# Altium PCB BerndoKeyboard-Switchboard.PcbDoc (part 3 of 3)
Units mm, origin at the board's own origin, x right, y up, seen from the top; angles counter-clockwise.
Board outline 470 x 135 mm, 2 copper layers (Top Layer, Bottom Layer), stack 1.581 mm thick; 355 components, 212 nets, 1814 pads, 203 vias.
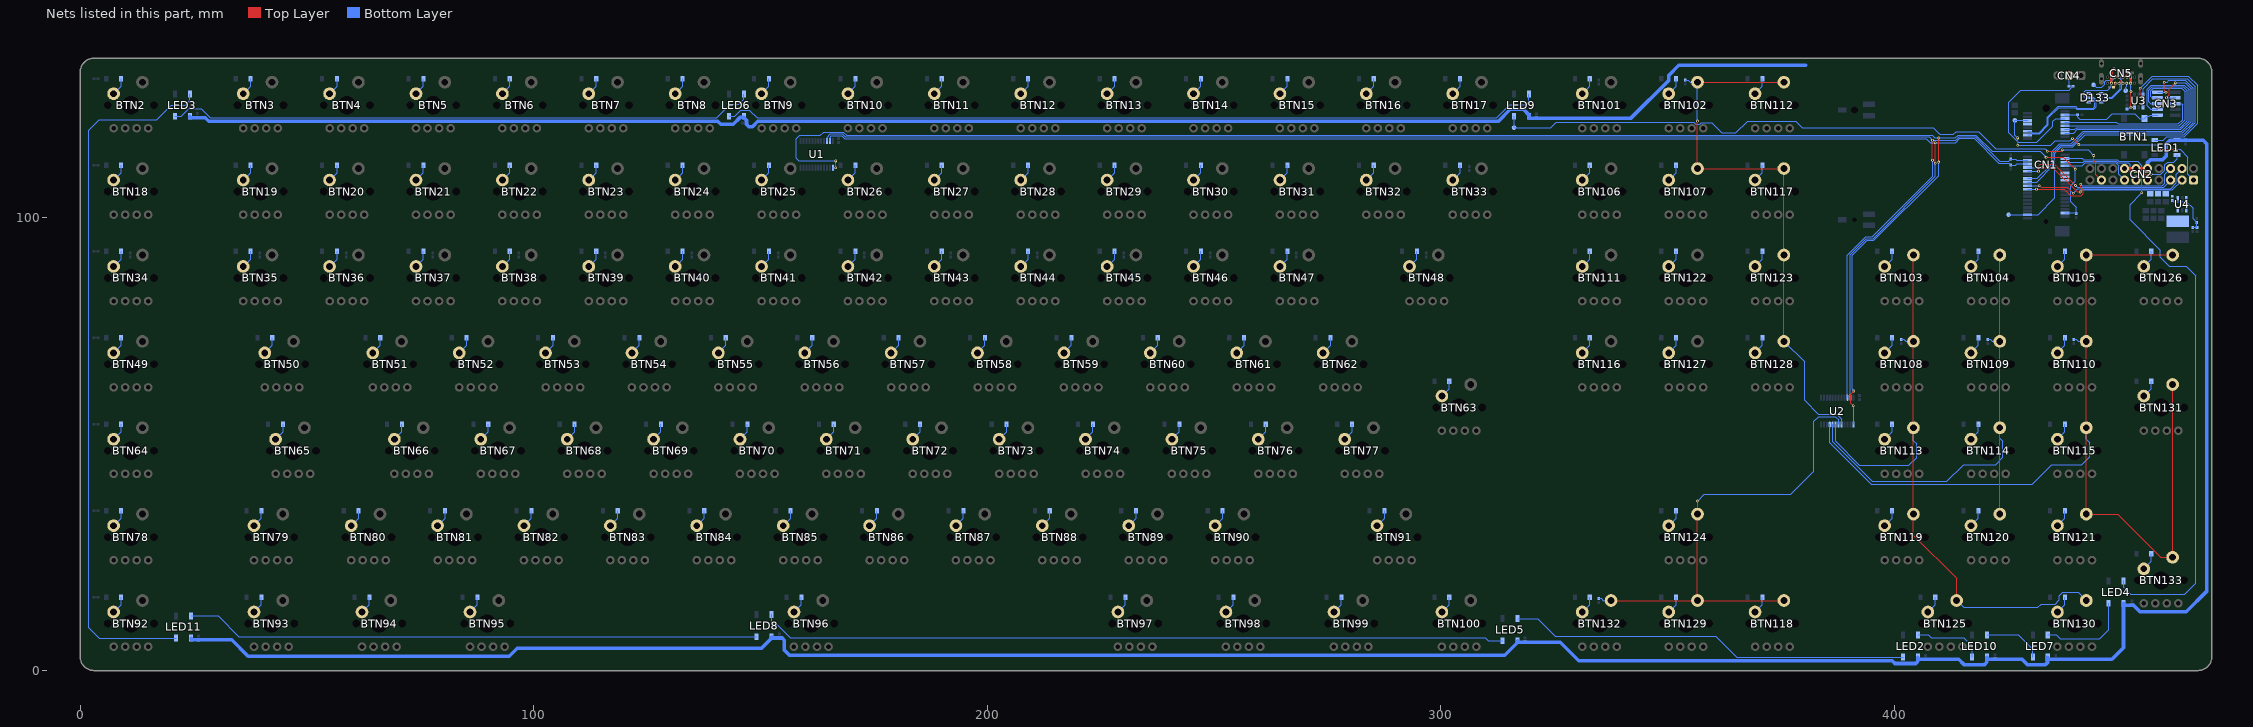
[diagram p3: the nets of this part, all layers, seen from the top]

## Via types
v1: diameter 0.6, hole 0.3, Top Layer to Bottom Layer, tented both sides, 203 vias

## Nets (pads, with @x,y where several pads share a name; then routed paths per layer and width w, separated by ;. In a path a pad name is that pad's centre, name@x,y a point inside that pad or via, vN(x,y) a via of type N, cw(c..) or ccw(c..) an arc to the next point about the centre after c; other vN are vias at no path point) (continued)
KBM_PROBE_17: BTN102.2 BTN107.2 BTN112.2 BTN117.2 BTN123.2 BTN128.2 R27.2 U2.5 | length 124.1
  Top Layer w0.127: BTN102.2@356.602,129.73 BTN112.2@375.652,129.73 ; v1(356.604,121.153) 356.602,121.151 BTN107.2@356.602,110.68 BTN117.2@375.652,110.68 BTN123.2@375.652,91.63 BTN128.2@375.652,72.58
  Bottom Layer w0.127: R27.2@353.9,130.18 354.547,130.18 354.997,129.73 BTN102.2@356.602,129.73 ; v1@356.603,121.154 BTN102.2@356.602,129.73 ; BTN128.2@375.652,72.58 380.206,68.027 380.206,59.58 383.277,56.509 387.303,56.509 388.375,55.437 U2.5@388.375,54.25
KBM_PROBE_18: BTN118.2 BTN124.2 BTN129.2 BTN132.2 R28.2 U2.6 | length 109.5
  Top Layer w0.127: BTN132.2@337.552,15.43 BTN129.2@356.602,15.43 ; v1(356.631,37.373) 356.617,37.358 356.617,34.494 BTN124.2@356.602,34.48 BTN129.2@356.602,15.43 ; BTN118.2@375.652,15.43 BTN129.2@356.602,15.43
  Bottom Layer w0.127: R28.2@334.85,15.88 335.415,15.88 335.865,15.43 BTN132.2@337.552,15.43 ; v1(356.631,37.373) 358.093,38.834 377.145,38.834 382.276,43.965 382.276,54.922 383.343,55.988 387.018,55.988 387.725,55.281 U2.6@387.725,54.25
KBM_PROBE_19: BTN103.2 BTN108.2 BTN113.2 BTN119.2 BTN125.2 BTN130.2 R29.2 U2.7 | length 146.2
  Top Layer w0.127: BTN103.2@404.227,91.63 BTN108.2@404.227,72.58 BTN113.2@404.227,53.53 BTN119.2@404.227,34.48 404.227,29.825 413.752,20.3 BTN125.2@413.752,15.43
  Bottom Layer w0.127: U2.7@387.075,54.25 387.075,50.532 392.33,45.277 403.245,45.277 404.914,46.946 404.914,50.026 404.227,50.712 BTN113.2@404.227,53.53 ; R29.2@401.525,73.03 402.108,73.03 402.558,72.58 BTN108.2@404.227,72.58 ; BTN125.2@413.752,15.43 415.276,13.906 431.657,13.906 432.398,14.647 435.506,14.647 436.421,15.562 436.421,16.467 437.172,17.218 440.54,17.218 BTN130.2@442.327,15.43
KBM_PROBE_20: BTN104.2 BTN109.2 BTN114.2 BTN120.2 R30.2 U2.8 | length 114
  Top Layer w0.127: BTN120.2@423.277,34.48 BTN114.2@423.277,53.53 BTN109.2@423.277,72.58 BTN104.2@423.277,91.63
  Bottom Layer w0.127: U2.8@386.425,54.25 386.425,50.425 395.143,41.707 411.587,41.707 415.301,45.421 422.398,45.421 423.962,46.985 423.962,50.583 423.277,51.268 BTN114.2@423.277,53.53 ; R30.2@420.575,73.03 421.129,73.03 421.579,72.58 BTN109.2@423.277,72.58
KBM_PROBE_21: BTN105.2 BTN110.2 BTN115.2 BTN121.2 BTN126.2 BTN131.2 BTN133.2 R31.2 U2.9 | length 214.5
  Top Layer w0.127: BTN131.2@461.377,63.055 BTN133.2@461.377,24.955 458.757,24.955 449.232,34.48 BTN121.2@442.327,34.48 BTN115.2@442.327,53.53 BTN110.2@442.327,72.58 BTN105.2@442.327,91.63 BTN126.2@461.377,91.63
  Bottom Layer w0.127: U2.9@385.775,54.25 385.775,50.27 394.947,41.098 430.456,41.098 434.772,45.414 441.377,45.414 443.087,47.123 443.087,50.223 442.327,50.983 BTN115.2@442.327,53.53 ; R31.2@439.625,73.03 440.16,73.03 440.61,72.58 BTN110.2@442.327,72.58
LED_DATA_IN: CN1.50 TP2.1 U3.3 | length 77.8
  Bottom Layer w0.127: TP2.1@425.2,100.5 CN1.50@429.4,100.5 ; CN1.50@429.4,100.5 431.716,100.5 435.425,104.208 435.425,114.08 436.797,115.452 439.361,115.452 442.068,118.159 463.802,118.159 466.402,120.759 466.402,128.685 464.592,130.494 457.025,130.494 454.85,128.319 U3.3@454.85,126.975
LED_DATA_IN_5V0: LED1.2 U3.4 | length 38.4
  Top Layer w0.127: v1(454.23,128.385) 454.23,126.352 v1(454.835,125.747)
  Bottom Layer w0.127: v1(454.23,128.385) 456.93,131.085 464.837,131.085 466.888,129.034 466.888,120.631 463.987,117.73 460.04,117.73 459.26,116.95 LED1.2@457.45,116.95 ; v1(454.835,125.747) 454.85,125.731 U3.4@454.85,124.225
LED_DATA_OUT: CN2.17 LED9.4 TP3.1 | length 143.2
  Top Layer w0.127: v1(433.75,114.52) 436.844,114.52 v1(437.117,114.793) ; v1(444.009,113.551) 444.009,112.366 444.45,111.924 444.45,109.37 CN2.17@445.68,108.14
  Bottom Layer w0.127: LED9.4@316.15,122.2 TP3.1@316.15,119.7 324.232,119.7 325.454,120.922 355.788,120.922 356.233,120.476 357.061,120.476 357.409,120.825 359.702,120.825 362.001,118.526 365.097,118.526 367.718,121.147 378.28,121.147 379.752,119.675 408.601,119.675 410.069,118.207 413.047,118.207 413.65,118.811 418.581,118.811 422.358,115.034 433.237,115.034 v1(433.75,114.52) ; v1(437.117,114.793) 442.767,114.793 v1(444.009,113.551)
MCU_BOOT0: CN1.5 R2.1 | length 38.3
  Bottom Layer w0.127: CN1.5@437.6,121.7 435.598,121.7 434.979,121.082 434.979,120.04 431.401,116.462 427.363,116.462 425.286,118.539 425.286,125.315 427.907,127.936 438.555,127.936 439.065,128.446 439.065,128.465 439.4,128.8 R2.1@439.45,128.8
MCU_PA1_AUX1: CN1.8
MCU_PA2_USART2_TX: CN1.34 CN2.4 | length 38.1
  Top Layer w0.127: v1(431.97,106.905) 432.367,106.507 438.167,106.507 v1(439.448,105.227)
  Bottom Layer w0.127: CN1.34@429.4,106.9 429.405,106.905 v1(431.97,106.905) ; v1(439.448,105.227) 440.501,106.28 460.936,106.28 462.199,107.543 462.199,109.419 CN2.4@463.46,110.68
MCU_PA3_USART2_RX: CN1.36 CN2.6 | length 38
  Top Layer w0.127: v1(431.375,106.111) 437.521,106.111 438.956,104.677 441.24,104.677 441.723,105.16 441.723,105.871 441.114,106.48 v1(441.114,107.216)
  Bottom Layer w0.127: CN1.36@429.4,106.1 429.411,106.111 v1(431.375,106.111) ; v1(441.114,107.216) 441.397,106.934 459.095,106.934 459.646,107.484 459.646,109.406 CN2.6@460.92,110.68
MCU_PA5_SPI1_SCK: CN1.19 CN2.9 | length 21.3
  Bottom Layer w0.127: CN1.19@437.6,112.9 441.409,112.9 441.689,112.62 449.116,112.62 449.489,112.247 453.649,112.247 454.609,111.287 454.609,109.371 CN2.9@455.84,108.14
MCU_PA6_SPI1_MISO: CN1.21 CN2.11 | length 18.7
  Bottom Layer w0.127: CN1.21@437.6,112.1 441.68,112.1 441.869,112.289 448.954,112.289 449.316,111.927 451.596,111.927 452.023,111.5 452.023,109.417 CN2.11@453.3,108.14
MCU_PA7_SPI1_MOSI: CN1.23 CN2.13 | length 16.1
  Bottom Layer w0.127: CN1.23@437.6,111.3 441.454,111.3 442.074,111.92 448.866,111.92 449.509,111.277 449.509,109.391 CN2.13@450.76,108.14
MCU_PA9_USART1_TX: CN1.30 CN3.8 | length 60.3
  Top Layer w0.127: v1(460.032,126.32) 460.032,126.38 460.608,126.956 460.608,128.216 v1(461.963,129.572)
  Bottom Layer w0.127: CN1.30@429.4,108.5 431.546,108.5 434.673,111.627 434.673,114.358 436.521,116.206 439.01,116.206 441.709,118.906 463.381,118.906 465.448,120.972 465.448,128.248 464.124,129.572 v1(461.963,129.572) ; v1(460.032,126.32) 461.561,126.32 461.73,126.49 CN3.8@461.95,126.27
MCU_PA10_USART1_RX: CN1.32 CN3.9 | length 62.6
  Top Layer w0.127: v1(459.527,129.711) 459.527,127.932 v1(459.924,127.536)
  Bottom Layer w0.127: CN1.32@429.4,107.7 431.371,107.7 435.045,111.374 435.045,114.207 436.671,115.833 439.191,115.833 441.885,118.527 463.598,118.527 465.877,120.806 465.877,128.444 464.186,130.135 460.578,130.135 460.154,129.711 v1(459.527,129.711) ; CN3.9@458.05,127.54 458.052,127.538 459.922,127.538 v1(459.924,127.536)
MCU_PA13_JTAG_TMS_SWDIO: CN1.11 CN3.5 | length 48.2
  Bottom Layer w0.127: CN1.11@437.6,119.3 439.781,119.3 440.189,119.708 463.018,119.708 464.579,121.269 464.579,127.83 463.671,128.738 456.893,128.738 456.133,127.978 456.133,125.388 456.521,125 CN3.5@458.05,125
MCU_PA14_JTAG_TCK_SWCLK: CN1.13 CN3.3 | length 51.7
  Bottom Layer w0.127: CN1.13@437.6,118.5 439.55,118.5 440.374,119.324 463.202,119.324 465,121.121 465,128.02 463.938,129.081 456.705,129.081 455.747,128.124 455.747,124.579 456.596,123.73 CN3.3@458.05,123.73
MCU_PA15_JTAG_TDI: CN1.7 CN3.6 | length 31.5
  Bottom Layer w0.127: CN1.7@437.6,120.9 448.959,120.9 449.338,120.522 462.67,120.522 463.572,121.423 463.572,124.733 463.341,124.965 461.985,124.965 CN3.6@461.95,125
MCU_PB3_JTAG_TDO_TRACE_SWO: CN1.9 CN3.7 | length 44.5
  Bottom Layer w0.127: CN1.9@437.6,120.1 462.793,120.1 464.143,121.45 464.143,127.645 463.371,128.417 457.054,128.417 456.503,127.867 456.503,126.489 456.659,126.333 457.987,126.333 CN3.7@458.05,126.27
MCU_PB6_I2C1_SCL: CN1.20 R33.2 U1.22 U2.22 | length 334.8
  Top Layer w0.127: v1(408.416,116.949) 408.416,112.495 v1(408.425,112.487)
  Bottom Layer w0.127: U1.22@164.675,116.75 164.675,117.641 165.356,118.322 168.067,118.322 168.728,117.661 407.704,117.661 v1(408.416,116.949) 408.433,116.933 413.583,116.933 414.333,117.683 417.811,117.683 423.239,112.255 425.255,112.255 425.7,112.7 R33.2@425.7,112.75 426.764,112.75 427.014,112.5 CN1.20@429.4,112.5 ; U2.22@389.675,60.15 389.675,91.606 393.745,95.676 395.124,95.676 408.433,108.985 408.433,112.479 v1(408.425,112.487)
MCU_PB7_I2C1_SDA: CN1.22 R32.2 U1.23 U2.23 | length 333.5
  Top Layer w0.127: v1(409.021,111.869) 409.027,111.875 v1(409.027,116.35)
  Bottom Layer w0.127: U1.23@165.325,116.75 165.325,117.641 165.623,117.938 167.885,117.938 168.529,117.294 407.012,117.294 407.956,116.35 v1(409.027,116.35) 413.504,116.35 414.483,117.329 417.599,117.329 423.035,111.893 425.257,111.893 R32.2@425.7,111.45 426.735,111.45 426.985,111.7 CN1.22@429.4,111.7 ; U2.23@390.325,60.15 390.325,91.715 393.861,95.251 395.324,95.251 409.021,108.948 v1(409.021,111.869)
MCU_PB10_I2C2_SCL: CN1.26 CN2.5 | length 35.5
  Top Layer w0.127: v1(431.809,110.1) 431.809,111.244 432.18,111.615 435.299,111.615 439.954,106.96 v1(439.954,106.957)
  Bottom Layer w0.127: CN1.26@429.4,110.1 v1(431.809,110.1) ; v1(439.954,106.957) 440.305,106.606 459.386,106.606 CN2.5@460.92,108.14
MCU_PB11_I2C2_SDA: CN1.24 CN2.3 | length 37.4
  Top Layer w0.127: v1(432.61,110.856) 434.99,110.856 440.331,105.515 v1(441.007,105.515)
  Bottom Layer w0.127: CN1.24@429.4,110.9 429.444,110.856 v1(432.61,110.856) ; v1(441.007,105.515) 441.478,105.986 461.306,105.986 CN2.3@463.46,108.14
MCU_PB13_SPI2_SCK: CN1.27
MCU_PB14_SPI2_MISO: CN1.29
MCU_PB15_SPI2_MOSI: CN1.31
MCU_RESETn: BTN1.3 CN1.3 CN3.1 R1.2 | length 22.6
  Bottom Layer w0.127: CN1.3@437.6,122.5 440.35,122.5 R1.2@440.45,122.6 440.45,122.021 440.895,121.576 446.865,121.576 448.107,122.818 452.982,122.818 454.125,121.675 BTN1.3@455.15,121.675 455.644,122.169 456.199,122.169 456.49,122.46 CN3.1@458.05,122.46
MCU_USB_D_N: CN1.12 D133.4 | length 21.9
  Bottom Layer w0.127: CN1.12@429.4,118.9 430.1,118.9 430.373,118.627 431.965,118.627 433.746,120.408 433.746,121.956 436.182,124.392 439.969,124.392 440.393,123.968 443.83,123.968 444.238,124.375 444.238,125.73 443.795,126.173 443.69,126.173 443.616,126.099 443.616,125.841 443.125,125.35 D133.4@442.925,125.35
MCU_USB_D_P: CN1.14 D133.6 | length 22.8
  Bottom Layer w0.127: CN1.14@429.4,118.1 430.1,118.1 430.373,118.373 432.071,118.373 434,120.302 434,121.851 436.287,124.138 439.864,124.138 440.287,123.714 443.935,123.714 444.492,124.27 444.492,125.835 443.9,126.427 443.69,126.427 443.616,126.501 443.616,126.76 443.125,127.25 D133.6@442.925,127.25
MCU_VBAT: CN1.6 CN2.1 TP1.1 | length 54
  Top Layer w0.25: v1(427.201,115.819) 427.213,115.831 v1(427.213,117.442) ; v1(439.309,117.334) 440.656,115.987 v1(440.656,115.963) ; v1(458.931,114.891) v1(461.773,114.891)
  Bottom Layer w0.25: v1(427.201,115.819) 434.475,115.819 435.485,116.829 438.804,116.829 v1(439.309,117.334) ; v1(427.213,117.442) 426.6,118.055 TP1.1@426.6,121.3 CN1.6@429.4,121.3 ; v1(440.656,115.963) 457.859,115.963 v1(458.931,114.891) ; v1(461.773,114.891) 463.031,114.891 464.742,113.18 464.742,109.398 CN2.1@466,108.14
NetBTN2_1: BTN2.1 D1.2 | length 4
  Bottom Layer w0.127: BTN2.1@7.352,127.19 8.991,128.828 D1.2@8.991,130.5
NetBTN3_1: BTN3.1 D2.2 | length 4
  Bottom Layer w0.127: BTN3.1@35.927,127.19 37.566,128.828 D2.2@37.566,130.5
NetBTN4_1: BTN4.1 D3.2 | length 4
  Bottom Layer w0.127: BTN4.1@54.977,127.19 56.616,128.828 D3.2@56.616,130.48
NetBTN5_1: BTN5.1 D4.2 | length 4
  Bottom Layer w0.127: BTN5.1@74.027,127.19 75.666,128.828 D4.2@75.666,130.5
NetBTN6_1: BTN6.1 D5.2 | length 4
  Bottom Layer w0.127: BTN6.1@93.077,127.19 94.716,128.828 D5.2@94.716,130.5
NetBTN7_1: BTN7.1 D6.2 | length 4
  Bottom Layer w0.127: BTN7.1@112.127,127.19 113.766,128.828 D6.2@113.766,130.5
NetBTN8_1: BTN8.1 D7.2 | length 4
  Bottom Layer w0.127: BTN8.1@131.177,127.19 132.816,128.828 D7.2@132.816,130.5
NetBTN9_1: BTN9.1 D8.2 | length 4
  Bottom Layer w0.127: BTN9.1@150.227,127.19 151.866,128.828 D8.2@151.866,130.5
NetBTN10_1: BTN10.1 D9.2 | length 4
  Bottom Layer w0.127: BTN10.1@169.277,127.19 170.916,128.828 D9.2@170.916,130.5
NetBTN11_1: BTN11.1 D10.2 | length 4
  Bottom Layer w0.127: BTN11.1@188.327,127.19 189.966,128.828 D10.2@189.966,130.5
NetBTN12_1: BTN12.1 D11.2 | length 4
  Bottom Layer w0.127: BTN12.1@207.377,127.19 209.016,128.828 D11.2@209.016,130.5
NetBTN13_1: BTN13.1 D12.2 | length 4
  Bottom Layer w0.127: BTN13.1@226.427,127.19 228.066,128.828 D12.2@228.066,130.5
NetBTN14_1: BTN14.1 D13.2 | length 4
  Bottom Layer w0.127: BTN14.1@245.477,127.19 247.116,128.828 D13.2@247.116,130.5
NetBTN15_1: BTN15.1 D14.2 | length 4
  Bottom Layer w0.127: BTN15.1@264.527,127.19 266.166,128.828 D14.2@266.166,130.5
NetBTN16_1: BTN16.1 D15.2 | length 4
  Bottom Layer w0.127: BTN16.1@283.577,127.19 285.216,128.828 D15.2@285.216,130.5
NetBTN17_1: BTN17.1 D16.2 | length 4
  Bottom Layer w0.127: BTN17.1@302.627,127.19 304.266,128.828 D16.2@304.266,130.5
NetBTN18_1: BTN18.1 D17.2 | length 4
  Bottom Layer w0.127: BTN18.1@7.352,108.14 8.991,109.778 D17.2@8.991,111.45
NetBTN19_1: BTN19.1 D18.2 | length 4
  Bottom Layer w0.127: BTN19.1@35.927,108.14 37.566,109.778 D18.2@37.566,111.45
NetBTN20_1: BTN20.1 D19.2 | length 4
  Bottom Layer w0.127: BTN20.1@54.977,108.14 56.616,109.778 D19.2@56.616,111.45
NetBTN21_1: BTN21.1 D20.2 | length 4
  Bottom Layer w0.127: BTN21.1@74.027,108.14 75.666,109.778 D20.2@75.666,111.45
NetBTN22_1: BTN22.1 D21.2 | length 4
  Bottom Layer w0.127: BTN22.1@93.077,108.14 94.716,109.778 D21.2@94.716,111.45
NetBTN23_1: BTN23.1 D22.2 | length 4
  Bottom Layer w0.127: BTN23.1@112.127,108.14 113.766,109.778 D22.2@113.766,111.45
NetBTN24_1: BTN24.1 D23.2 | length 4
  Bottom Layer w0.127: BTN24.1@131.177,108.14 132.816,109.778 D23.2@132.816,111.45
NetBTN25_1: BTN25.1 D24.2 | length 4
  Bottom Layer w0.127: BTN25.1@150.227,108.14 151.866,109.778 D24.2@151.866,111.45
NetBTN26_1: BTN26.1 D25.2 | length 4
  Bottom Layer w0.127: BTN26.1@169.277,108.14 170.916,109.778 D25.2@170.916,111.45
NetBTN27_1: BTN27.1 D26.2 | length 4
  Bottom Layer w0.127: BTN27.1@188.327,108.14 189.966,109.778 D26.2@189.966,111.45
NetBTN28_1: BTN28.1 D27.2 | length 4
  Bottom Layer w0.127: BTN28.1@207.377,108.14 209.016,109.778 D27.2@209.016,111.45
NetBTN29_1: BTN29.1 D28.2 | length 4
  Bottom Layer w0.127: BTN29.1@226.427,108.14 228.066,109.778 D28.2@228.066,111.45
NetBTN30_1: BTN30.1 D29.2 | length 4
  Bottom Layer w0.127: BTN30.1@245.477,108.14 247.116,109.778 D29.2@247.116,111.45
NetBTN31_1: BTN31.1 D30.2 | length 4
  Bottom Layer w0.127: BTN31.1@264.527,108.14 266.166,109.778 D30.2@266.166,111.45
NetBTN32_1: BTN32.1 D31.2 | length 4
  Bottom Layer w0.127: BTN32.1@283.577,108.14 285.216,109.778 D31.2@285.216,111.45
NetBTN33_1: BTN33.1 D32.2 | length 4
  Bottom Layer w0.127: BTN33.1@302.627,108.14 304.266,109.778 D32.2@304.266,111.45
NetBTN34_1: BTN34.1 D33.2 | length 4
  Bottom Layer w0.127: BTN34.1@7.352,89.09 8.991,90.728 D33.2@8.991,92.4
NetBTN35_1: BTN35.1 D34.2 | length 4
  Bottom Layer w0.127: BTN35.1@35.927,89.09 37.566,90.728 D34.2@37.566,92.4
NetBTN36_1: BTN36.1 D35.2 | length 4
  Bottom Layer w0.127: BTN36.1@54.977,89.09 56.616,90.728 D35.2@56.616,92.4
NetBTN37_1: BTN37.1 D36.2 | length 4
  Bottom Layer w0.127: BTN37.1@74.027,89.09 75.666,90.728 D36.2@75.666,92.4
NetBTN38_1: BTN38.1 D37.2 | length 4
  Bottom Layer w0.127: BTN38.1@93.077,89.09 94.716,90.728 D37.2@94.716,92.4
NetBTN39_1: BTN39.1 D38.2 | length 4
  Bottom Layer w0.127: BTN39.1@112.127,89.09 113.766,90.728 D38.2@113.766,92.4
NetBTN40_1: BTN40.1 D39.2 | length 4
  Bottom Layer w0.127: BTN40.1@131.177,89.09 132.816,90.728 D39.2@132.816,92.4
NetBTN41_1: BTN41.1 D40.2 | length 4
  Bottom Layer w0.127: BTN41.1@150.227,89.09 151.866,90.728 D40.2@151.866,92.4
NetBTN42_1: BTN42.1 D41.2 | length 4
  Bottom Layer w0.127: BTN42.1@169.277,89.09 170.916,90.728 D41.2@170.916,92.4
NetBTN43_1: BTN43.1 D42.2 | length 4
  Bottom Layer w0.127: BTN43.1@188.327,89.09 189.966,90.728 D42.2@189.966,92.4
NetBTN44_1: BTN44.1 D43.2 | length 4
  Bottom Layer w0.127: BTN44.1@207.377,89.09 209.016,90.728 D43.2@209.016,92.4
NetBTN45_1: BTN45.1 D44.2 | length 4
  Bottom Layer w0.127: BTN45.1@226.427,89.09 228.066,90.728 D44.2@228.066,92.4
NetBTN46_1: BTN46.1 D45.2 | length 4
  Bottom Layer w0.127: BTN46.1@245.477,89.09 247.116,90.728 D45.2@247.116,92.4
NetBTN47_1: BTN47.1 D46.2 | length 4
  Bottom Layer w0.127: BTN47.1@264.527,89.09 266.166,90.728 D46.2@266.166,92.4
NetBTN48_1: BTN48.1 D47.2 | length 4
  Bottom Layer w0.127: BTN48.1@293.102,89.09 294.741,90.728 D47.2@294.741,92.4
NetBTN49_1: BTN49.1 D48.2 | length 4
  Bottom Layer w0.127: BTN49.1@7.352,70.04 8.991,71.678 D48.2@8.991,73.35
NetBTN50_1: BTN50.1 D49.2 | length 4
  Bottom Layer w0.127: BTN50.1@40.69,70.04 42.328,71.678 D49.2@42.328,73.35
NetBTN51_1: BTN51.1 D50.2 | length 4
  Bottom Layer w0.127: BTN51.1@64.502,70.04 66.141,71.678 D50.2@66.141,73.35
NetBTN52_1: BTN52.1 D51.2 | length 4
  Bottom Layer w0.127: BTN52.1@83.552,70.04 85.191,71.678 D51.2@85.191,73.35
NetBTN53_1: BTN53.1 D52.2 | length 4
  Bottom Layer w0.127: BTN53.1@102.602,70.04 104.241,71.678 D52.2@104.241,73.35
NetBTN54_1: BTN54.1 D53.2 | length 4
  Bottom Layer w0.127: BTN54.1@121.652,70.04 123.291,71.678 D53.2@123.291,73.35
NetBTN55_1: BTN55.1 D54.2 | length 4
  Bottom Layer w0.127: BTN55.1@140.702,70.04 142.341,71.678 D54.2@142.341,73.35
NetBTN56_1: BTN56.1 D55.2 | length 4
  Bottom Layer w0.127: BTN56.1@159.752,70.04 161.391,71.678 D55.2@161.391,73.35
NetBTN57_1: BTN57.1 D56.2 | length 4
  Bottom Layer w0.127: BTN57.1@178.802,70.04 180.441,71.678 D56.2@180.441,73.35
NetBTN58_1: BTN58.1 D57.2 | length 4
  Bottom Layer w0.127: BTN58.1@197.852,70.04 199.491,71.678 D57.2@199.491,73.35
NetBTN59_1: BTN59.1 D58.2 | length 4
  Bottom Layer w0.127: BTN59.1@216.902,70.04 218.541,71.678 D58.2@218.541,73.35
NetBTN60_1: BTN60.1 D59.2 | length 4
  Bottom Layer w0.127: BTN60.1@235.952,70.04 237.591,71.678 D59.2@237.591,73.35
NetBTN61_1: BTN61.1 D60.2 | length 4
  Bottom Layer w0.127: BTN61.1@255.002,70.04 256.641,71.678 D60.2@256.641,73.35
NetBTN62_1: BTN62.1 D61.2 | length 4
  Bottom Layer w0.127: BTN62.1@274.052,70.04 275.691,71.678 D61.2@275.691,73.35
NetBTN63_1: BTN63.1 D62.2 | length 4
  Bottom Layer w0.127: BTN63.1@300.247,60.515 301.885,62.153 D62.2@301.885,63.825
NetBTN64_1: BTN64.1 D63.2 | length 4
  Bottom Layer w0.127: BTN64.1@7.352,50.99 8.991,52.628 D63.2@8.991,54.3
NetBTN65_1: BTN65.1 D64.2 | length 4
  Bottom Layer w0.127: BTN65.1@43.071,50.99 44.71,52.628 D64.2@44.71,54.3
NetBTN66_1: BTN66.1 D65.2 | length 4
  Bottom Layer w0.127: BTN66.1@69.266,50.99 70.904,52.628 D65.2@70.904,54.3
NetBTN67_1: BTN67.1 D66.2 | length 4
  Bottom Layer w0.127: BTN67.1@88.316,50.99 89.954,52.628 D66.2@89.954,54.3
NetBTN68_1: BTN68.1 D67.2 | length 4
  Bottom Layer w0.127: BTN68.1@107.366,50.99 109.004,52.628 D67.2@109.004,54.3
NetBTN69_1: BTN69.1 D68.2 | length 4
  Bottom Layer w0.127: BTN69.1@126.416,50.99 128.054,52.628 D68.2@128.054,54.3
NetBTN70_1: BTN70.1 D69.2 | length 4
  Bottom Layer w0.127: BTN70.1@145.466,50.99 147.104,52.628 D69.2@147.104,54.3
NetBTN71_1: BTN71.1 D70.2 | length 4
  Bottom Layer w0.127: BTN71.1@164.516,50.99 166.154,52.628 D70.2@166.154,54.3
NetBTN72_1: BTN72.1 D71.2 | length 4
  Bottom Layer w0.127: BTN72.1@183.566,50.99 185.204,52.628 D71.2@185.204,54.3
NetBTN73_1: BTN73.1 D72.2 | length 4
  Bottom Layer w0.127: BTN73.1@202.616,50.99 204.254,52.628 D72.2@204.254,54.3
NetBTN74_1: BTN74.1 D73.2 | length 4
  Bottom Layer w0.127: BTN74.1@221.666,50.99 223.304,52.628 D73.2@223.304,54.3
NetBTN75_1: BTN75.1 D74.2 | length 4
  Bottom Layer w0.127: BTN75.1@240.716,50.99 242.354,52.628 D74.2@242.354,54.3
NetBTN76_1: BTN76.1 D75.2 | length 4
  Bottom Layer w0.127: BTN76.1@259.766,50.99 261.404,52.628 D75.2@261.404,54.3
NetBTN77_1: BTN77.1 D76.2 | length 4
  Bottom Layer w0.127: BTN77.1@278.816,50.99 280.454,52.628 D76.2@280.454,54.3
NetBTN78_1: BTN78.1 D77.2 | length 4
  Bottom Layer w0.127: BTN78.1@7.352,31.94 8.991,33.578 D77.2@8.991,35.25
NetBTN79_1: BTN79.1 D78.2 | length 4
  Bottom Layer w0.127: BTN79.1@38.309,31.94 39.947,33.578 D78.2@39.947,35.25
NetBTN80_1: BTN80.1 D79.2 | length 4
  Bottom Layer w0.127: BTN80.1@59.741,31.94 61.379,33.578 D79.2@61.379,35.25
NetBTN81_1: BTN81.1 D80.2 | length 4
  Bottom Layer w0.127: BTN81.1@78.791,31.94 80.429,33.578 D80.2@80.429,35.25
NetBTN82_1: BTN82.1 D81.2 | length 4
  Bottom Layer w0.127: BTN82.1@97.841,31.94 99.479,33.578 D81.2@99.479,35.25
NetBTN83_1: BTN83.1 D82.2 | length 4
  Bottom Layer w0.127: BTN83.1@116.891,31.94 118.529,33.578 D82.2@118.529,35.25
NetBTN84_1: BTN84.1 D83.2 | length 4
  Bottom Layer w0.127: BTN84.1@135.941,31.94 137.579,33.578 D83.2@137.579,35.25
NetBTN85_1: BTN85.1 D84.2 | length 4
  Bottom Layer w0.127: BTN85.1@154.991,31.94 156.629,33.578 D84.2@156.629,35.25
NetBTN86_1: BTN86.1 D85.2 | length 4
  Bottom Layer w0.127: BTN86.1@174.041,31.94 175.679,33.578 D85.2@175.679,35.25
NetBTN87_1: BTN87.1 D86.2 | length 4
  Bottom Layer w0.127: BTN87.1@193.091,31.94 194.729,33.578 D86.2@194.729,35.25
NetBTN88_1: BTN88.1 D87.2 | length 4
  Bottom Layer w0.127: BTN88.1@212.141,31.94 213.779,33.578 D87.2@213.779,35.25
NetBTN89_1: BTN89.1 D88.2 | length 4
  Bottom Layer w0.127: BTN89.1@231.191,31.94 232.829,33.578 D88.2@232.829,35.25
NetBTN90_1: BTN90.1 D89.2 | length 4
  Bottom Layer w0.127: BTN90.1@250.241,31.94 251.879,33.578 D89.2@251.879,35.25
NetBTN91_1: BTN91.1 D90.2 | length 4
  Bottom Layer w0.127: BTN91.1@285.959,31.94 287.597,33.578 D90.2@287.597,35.25
NetBTN92_1: BTN92.1 D91.2 | length 4
  Bottom Layer w0.127: BTN92.1@7.352,12.89 8.991,14.528 D91.2@8.991,16.2
NetBTN93_1: BTN93.1 D92.2 | length 4
  Bottom Layer w0.127: BTN93.1@38.309,12.89 39.947,14.528 D92.2@39.947,16.2
NetBTN94_1: BTN94.1 D93.2 | length 4
  Bottom Layer w0.127: BTN94.1@62.122,12.89 63.76,14.528 D93.2@63.76,16.2
NetBTN95_1: BTN95.1 D94.2 | length 4
  Bottom Layer w0.127: BTN95.1@85.934,12.89 87.572,14.528 D94.2@87.572,16.2
NetBTN96_1: BTN96.1 D95.2 | length 4
  Bottom Layer w0.127: BTN96.1@157.372,12.89 159.01,14.528 D95.2@159.01,16.2
NetBTN97_1: BTN97.1 D96.2 | length 4
  Bottom Layer w0.127: BTN97.1@228.809,12.89 230.447,14.528 D96.2@230.447,16.2
NetBTN98_1: BTN98.1 D97.2 | length 4
  Bottom Layer w0.127: BTN98.1@252.622,12.89 254.26,14.528 D97.2@254.26,16.2
NetBTN99_1: BTN99.1 D98.2 | length 4
  Bottom Layer w0.127: BTN99.1@276.434,12.89 278.072,14.528 D98.2@278.072,16.2
NetBTN100_1: BTN100.1 D99.2 | length 4
  Bottom Layer w0.127: BTN100.1@300.247,12.89 301.885,14.528 D99.2@301.885,16.2
NetBTN101_1: BTN101.1 D100.2 | length 4
  Bottom Layer w0.127: BTN101.1@331.202,127.19 332.841,128.828 D100.2@332.841,130.5
NetBTN102_1: BTN102.1 D101.2 | length 4
  Bottom Layer w0.127: BTN102.1@350.252,127.19 351.891,128.828 D101.2@351.891,130.5
NetBTN103_1: BTN103.1 D102.2 | length 4
  Bottom Layer w0.127: BTN103.1@397.877,89.09 399.516,90.728 D102.2@399.516,92.4
NetBTN104_1: BTN104.1 D103.2 | length 4
  Bottom Layer w0.127: BTN104.1@416.927,89.09 418.566,90.728 D103.2@418.566,92.4
NetBTN105_1: BTN105.1 D104.2 | length 4
  Bottom Layer w0.127: BTN105.1@435.977,89.09 437.616,90.728 D104.2@437.616,92.4
NetBTN106_1: BTN106.1 D105.2 | length 4
  Bottom Layer w0.127: BTN106.1@331.202,108.14 332.841,109.778 D105.2@332.841,111.45
NetBTN107_1: BTN107.1 D106.2 | length 4
  Bottom Layer w0.127: BTN107.1@350.252,108.14 351.891,109.778 D106.2@351.891,111.45
NetBTN108_1: BTN108.1 D107.2 | length 4
  Bottom Layer w0.127: BTN108.1@397.877,70.04 399.516,71.678 D107.2@399.516,73.35
NetBTN109_1: BTN109.1 D108.2 | length 4
  Bottom Layer w0.127: BTN109.1@416.927,70.04 418.566,71.678 D108.2@418.566,73.35
NetBTN110_1: BTN110.1 D109.2 | length 4
  Bottom Layer w0.127: BTN110.1@435.977,70.04 437.616,71.678 D109.2@437.616,73.35
NetBTN111_1: BTN111.1 D110.2 | length 4
  Bottom Layer w0.127: BTN111.1@331.202,89.09 332.841,90.728 D110.2@332.841,92.4
NetBTN112_1: BTN112.1 D111.2 | length 4
  Bottom Layer w0.127: BTN112.1@369.302,127.19 370.941,128.828 D111.2@370.941,130.5
NetBTN113_1: BTN113.1 D112.2 | length 4
  Bottom Layer w0.127: BTN113.1@397.877,50.99 399.516,52.628 D112.2@399.516,54.3
NetBTN114_1: BTN114.1 D113.2 | length 4
  Bottom Layer w0.127: BTN114.1@416.927,50.99 418.566,52.628 D113.2@418.566,54.3
NetBTN115_1: BTN115.1 D114.2 | length 4
  Bottom Layer w0.127: BTN115.1@435.977,50.99 437.616,52.628 D114.2@437.616,54.3
NetBTN116_1: BTN116.1 D115.2 | length 4
  Bottom Layer w0.127: BTN116.1@331.202,70.04 332.841,71.678 D115.2@332.841,73.35
NetBTN117_1: BTN117.1 D116.2 | length 4
  Bottom Layer w0.127: BTN117.1@369.302,108.14 370.941,109.778 D116.2@370.941,111.45
NetBTN118_1: BTN118.1 D117.2 | length 4
  Bottom Layer w0.127: BTN118.1@369.302,12.89 370.941,14.528 D117.2@370.941,16.2
NetBTN119_1: BTN119.1 D118.2 | length 4
  Bottom Layer w0.127: BTN119.1@397.877,31.94 399.516,33.578 D118.2@399.516,35.25
NetBTN120_1: BTN120.1 D119.2 | length 4
  Bottom Layer w0.127: BTN120.1@416.927,31.94 418.566,33.578 D119.2@418.566,35.25
NetBTN121_1: BTN121.1 D120.2 | length 4
  Bottom Layer w0.127: BTN121.1@435.977,31.94 437.616,33.578 D120.2@437.616,35.25
NetBTN122_1: BTN122.1 D121.2 | length 4
  Bottom Layer w0.127: BTN122.1@350.252,89.09 351.891,90.728 D121.2@351.891,92.4
NetBTN123_1: BTN123.1 D122.2 | length 4
  Bottom Layer w0.127: BTN123.1@369.302,89.09 370.941,90.728 D122.2@370.941,92.4
NetBTN124_1: BTN124.1 D123.2 | length 4
  Bottom Layer w0.127: BTN124.1@350.252,31.94 351.891,33.578 D123.2@351.891,35.25
NetBTN125_1: BTN125.1 D124.2 | length 4
  Bottom Layer w0.127: BTN125.1@407.402,12.89 409.041,14.528 D124.2@409.041,16.2
NetBTN126_1: BTN126.1 D125.2 | length 4
  Bottom Layer w0.127: BTN126.1@455.027,89.09 456.666,90.728 D125.2@456.666,92.4
NetBTN127_1: BTN127.1 D126.2 | length 4
  Bottom Layer w0.127: BTN127.1@350.252,70.04 351.891,71.678 D126.2@351.891,73.35
NetBTN128_1: BTN128.1 D127.2 | length 4
  Bottom Layer w0.127: BTN128.1@369.302,70.04 370.941,71.678 D127.2@370.941,73.35
NetBTN129_1: BTN129.1 D128.2 | length 4
  Bottom Layer w0.127: BTN129.1@350.252,12.89 351.891,14.528 D128.2@351.891,16.2
NetBTN130_1: BTN130.1 D129.2 | length 4
  Bottom Layer w0.127: BTN130.1@435.977,12.89 437.616,14.528 D129.2@437.616,16.2
NetBTN131_1: BTN131.1 D130.2 | length 4
  Bottom Layer w0.127: BTN131.1@455.027,60.515 456.666,62.153 D130.2@456.666,63.825
NetBTN132_1: BTN132.1 D131.2 | length 4
  Bottom Layer w0.127: BTN132.1@331.202,12.89 332.841,14.528 D131.2@332.841,16.2
NetBTN133_1: BTN133.1 D132.2 | length 4
  Bottom Layer w0.127: BTN133.1@455.027,22.415 456.666,24.053 D132.2@456.666,25.725
NetCN4_2: CN4.2 R2.2 | length 2.4
  Bottom Layer w0.127: R2.2@438.55,128.8 438.6,128.85 CN4.2@438.6,131.2
NetLED1_4: LED1.4 LED4.2 | length 128.7
  Top Layer w0.127: v1(454.586,105.333) 454.586,108.828 455.159,109.401 v1(456.628,109.401)
  Bottom Layer w0.127: LED4.2@450.55,19.75 450.55,18.411 452.132,16.829 464.035,16.829 466.427,19.22 466.427,87.091 464.431,89.087 460.64,89.087 458.644,91.082 458.644,92.698 451.996,99.346 451.996,102.744 v1(454.586,105.333) ; v1(456.628,109.401) 458.785,109.401 459.679,110.295 459.679,111.517 460.282,112.121 461.637,112.121 462.35,112.834 LED1.4@462.35,113.65
NetLED2_2: LED2.2 LED10.4 | length 15.4
  Bottom Layer w0.127: LED2.2@405.25,7.85 407.539,7.85 408.152,7.237 415.353,7.237 417.15,5.44 LED10.4@417.15,2.95
NetLED2_4: LED2.4 LED5.2 | length 88.5
  Bottom Layer w0.127: LED5.2@316.95,11.45 321.351,11.45 325.216,7.585 360.654,7.585 365.289,2.95 LED2.4@401.95,2.95
NetLED3_2: LED3.2 LED11.4 | length 156.3
  Bottom Layer w0.127: LED11.4@21.15,7.15 4.171,7.15 1.863,9.458 1.863,119.104 4.215,121.456 16.849,121.456 20.068,124.676 23.135,124.676 24.15,125.691 LED3.2@24.15,127.1
NetLED3_4: LED3.4 LED6.2 | length 129.9
  Bottom Layer w0.127: LED3.4@20.85,122.2 22.274,122.2 23.968,123.893 26.69,123.893 28.706,121.878 140.322,121.878 143.278,124.834 145.206,124.834 146.35,125.977 LED6.2@146.35,127.1
NetLED4_4: LED4.4 LED7.2 | length 20.4
  Bottom Layer w0.127: LED7.2@433.85,7.85 435.731,7.85 436.567,7.014 445.257,7.014 447.25,9.007 LED4.4@447.25,14.85
NetLED5_4: LED5.4 LED8.2 | length 164.6
  Bottom Layer w0.127: LED8.2@152.45,12.35 152.45,10.624 152.939,10.136 153.709,10.136 156.603,7.242 309.792,7.242 310.484,6.55 LED5.4@313.65,6.55
NetLED6_4: LED6.4 LED9.2 | length 180.8
  Bottom Layer w0.127: LED6.4@143.05,122.2 144.265,122.2 145.612,123.547 147.556,123.547 149.239,121.864 312.336,121.864 315.248,124.776 318.79,124.776 319.45,125.435 LED9.2@319.45,127.1
NetLED7_4: LED7.4 LED10.2 | length 13.1
  Bottom Layer w0.127: LED10.2@420.45,7.85 427.344,7.85 430.55,4.644 LED7.4@430.55,2.95
NetLED8_4: LED8.4 LED11.2 | length 126.6
  Bottom Layer w0.127: LED11.2@24.45,12.05 30.379,12.05 34.979,7.45 LED8.4@149.15,7.45
PROBE_PORT_EXP_INTn: CN1.49 R34.2 U1.1 U2.1 | length 388
  Top Layer w0.127: v1(166.596,112.364) 166.598,112.362 v1(166.598,110.85) ; v1(390.969,58.409) 390.396,58.983 390.396,60.923 v1(391.09,61.617) ; v1(409.79,117.423) 409.79,112.125 v1(409.81,112.105) ; v1(433.474,113.163) 437.309,113.163 v1(439.905,110.567)
  Bottom Layer w0.127: U1.1@165.975,110.85 v1(166.598,110.85) ; v1(166.596,112.364) 158.447,112.364 157.876,112.935 157.876,117.262 158.64,118.026 163.22,118.026 163.932,118.738 168.294,118.738 168.968,118.064 408.335,118.064 408.976,117.423 v1(409.79,117.423) 413.422,117.423 414.069,118.07 418.008,118.07 421.59,114.489 432.148,114.489 v1(433.474,113.163) ; v1@390.969,58.292 v1(390.969,58.409) U2.1@390.975,54.25 ; v1@391.117,61.59 v1(391.09,61.617) 390.727,61.979 390.727,91.529 394.018,94.819 395.49,94.819 409.81,109.139 v1(409.81,112.105) ; CN1.49@437.6,100.9 439.95,100.9 R34.2@440.1,100.75 440.1,102.135 438.906,103.329 438.906,106.939 439.905,107.937 v1(439.905,110.567)
REG_3V3_EN: R37.2 U4.1 | length 4.8
  Bottom Layer w0.127: R37.2@461.25,103.675 461.25,103.625 461.549,103.326 463.769,103.326 464.4,102.695 U4.1@464.4,101.475
REG_3V3_FB: C20.2 R38.2 R39.1 U4.6 | length 8.3
  Bottom Layer w0.127: U4.6@464.4,104.125 464.4,103.394 465.874,101.92 465.874,99.626 R39.1@466.75,98.75 C20.2@466.75,97.69 466.74,97.7 R38.2@465.85,97.7
REG_3V3_SW: L1.1 U4.3
USBC_CC1: CN5.A5 R35.1 | length 1.1
  Top Layer w0.127: R35.1@448.325,128.6 448.375,128.6 448.709,128.934 448.709,129.485 CN5.A5@448.725,129.5
USBC_CC2: CN5.B5 R36.1 | length 1.1
  Top Layer w0.127: CN5.B5@451.275,130.85 451.275,131.45 451.625,131.8 R36.1@451.675,131.8
USBC_D_N: CN5.A7 CN5.B7 D133.3 | length 8.8
  Bottom Layer w0.127: D133.3@445.675,125.35 445.875,125.35 446.366,125.841 446.366,126.099 446.44,126.173 448.074,126.173 450.127,128.226 450.127,129.174 450.425,129.472 CN5.A7@450.425,129.5 CN5.B7@449.575,130.85
USBC_D_P: CN5.A6 CN5.B6 D133.1 | length 8.4
  Top Layer w0.127: CN5.A6@449.575,129.5 CN5.B6@450.425,130.85
  Bottom Layer w0.127: D133.1@445.675,127.25 445.875,127.25 446.366,126.76 446.366,126.501 446.44,126.427 447.968,126.427 449.873,128.332 449.873,129.174 449.575,129.472 CN5.A6@449.575,129.5
USBC_SBU1: CN5.A8 TP4.1 | length 1.8
  Bottom Layer w0.127: TP4.1@451.025,127.85 451.025,128.607 451.275,128.857 CN5.A8@451.275,129.5
USBC_SBU2: CN5.B8 TP5.1 | length 6.3
  Bottom Layer w0.127: TP5.1@443.941,129.15 444.509,128.583 445.75,128.583 446.445,129.278 446.445,129.857 446.782,130.194 448.069,130.194 CN5.B8@448.725,130.85
USBC_VBUS: C5.1 C6.1 C7.1 C8.1 C9.1 C10.1 C11.1 C12.1 C13.1 C14.1 C15.1 C16.1 C17.1 C18.1 C19.1 CN2.10 CN2.12 CN2.14 CN5.A4 CN5.A9 CN5.B4 CN5.B9 D133.5 LED1.3 LED2.3 LED3.3 LED4.3 LED5.3 LED6.3 LED7.3 LED8.3 LED9.3 LED10.3 LED11.3 R37.1 U3.6 U4.4 | length 984.9
  Top Layer w0.25: v1(452.197,124.225) v1(452.199,127.681) v1(452.199,127.681)
  Top Layer w0.6: CN5.A4@447.875,129.5 CN5.B9@447.875,130.85 447.885,130.86 447.885,132.048 v1(448.468,132.632) ; CN5.A9@452.125,129.5 CN5.B4@452.125,130.85
  Top Layer w0.8: CN2.14@450.76,110.68 CN2.12@453.3,110.68 CN2.10@455.84,110.68
  Bottom Layer w0.25: D133.5@442.925,126.3 442.05,126.3 441.847,126.503 441.847,127.564 442.268,127.985 447.107,127.985 447.875,128.753 CN5.A4@447.875,129.5 ; C5.1@451.3,123.86 451.3,123.88 451.757,123.88 452.102,124.225 v1(452.197,124.225) U3.6@452.95,124.225 ; CN5.A9@452.125,129.5 452.125,128.671 452.199,128.597 v1(452.199,127.681)
  Bottom Layer w0.6: CN5.B4@452.125,130.85 452.135,130.86 452.135,131.801
  Bottom Layer w0.8: LED3.3@24.15,122.2 24.15,121.96 24.2,121.91 C8.1@25.8,121.91 27.53,121.91 28.322,121.119 140.535,121.119 141.223,120.43 143.96,120.43 145.49,121.96 146.3,121.96 146.35,122.01 146.35,121.9 146.9,121.35 C11.1@146.9,120.75 146.9,120.442 147.424,119.918 148.208,119.918 149.403,121.113 312.718,121.113 315.334,123.729 318.221,123.729 319.45,122.5 LED9.3@319.45,122.2 319.45,121.9 319.54,121.81 C14.1@321.1,121.81 341.966,121.81 350.305,130.149 350.305,131.278 352.475,133.448 380.445,133.448 ; LED11.3@24.45,7.15 24.45,6.85 24.54,6.76 C16.1@26.1,6.76 33.396,6.76 37.005,3.151 94.592,3.151 96.359,4.918 150.218,4.918 152.45,7.15 LED8.3@152.45,7.21 ; LED8.3@152.45,7.45 LED8.3@152.45,7.21 ; LED5.3@316.95,6.55 LED5.3@316.95,6.31 ; LED2.3@405.2,2.9 405.2,2.004 404.731,1.535 400.152,1.535 399.537,2.15 330.439,2.15 326.329,6.26 C10.1@318.6,6.26 317,6.26 LED5.3@316.95,6.31 ; LED2.3@405.44,2.46 C7.1@406.902,2.46 414.197,2.46 415.357,1.3 419.909,1.3 420.4,1.791 LED10.3@420.4,2.9 ; LED10.3@420.45,2.95 420.45,2.65 420.58,2.52 C15.1@422.2,2.52 428.097,2.52 429.317,1.3 433.331,1.3 433.8,1.769 LED7.3@433.8,2.9 ; LED7.3@433.85,2.95 433.85,2.65 434.04,2.46 C12.1@435.6,2.46 447.992,2.46 450.55,5.018 LED4.3@450.55,14.55 ; LED4.3@450.55,14.85 LED4.3@450.55,14.55 ; CN2.10@455.84,110.68 455.84,112.009 456.478,112.647 459.143,112.647 459.944,113.447 459.944,116.079 460.815,116.95 LED1.3@462.35,116.95 462.36,116.94 C6.1@464.2,116.94 468.1,116.94 468.869,116.171 468.869,17.433 464.4,12.965 454.18,12.965 452.725,14.42 C9.1@452.4,14.42 450.68,14.42 LED4.3@450.55,14.55 ; LED8.3@152.45,7.21 152.5,7.16 C13.1@154.2,7.16 154.768,7.16 155.237,6.691 155.237,4.532 156.394,3.375 314.075,3.375 316.95,6.25 LED5.3@316.95,6.31
pads on no net: BTN1.4 BTN2.3 BTN2.4 BTN2.5 BTN2.6 BTN2.NPTH BTN3.3 BTN3.4 BTN3.5 BTN3.6 BTN3.NPTH BTN4.3 BTN4.4 BTN4.5 BTN4.6 BTN4.NPTH BTN5.3 BTN5.4 BTN5.5 BTN5.6 BTN5.NPTH BTN6.3 BTN6.4 BTN6.5 BTN6.6 BTN6.NPTH BTN7.3 BTN7.4 BTN7.5 BTN7.6 BTN7.NPTH BTN8.3 BTN8.4 BTN8.5 BTN8.6 BTN8.NPTH BTN9.3 BTN9.4 BTN9.5 BTN9.6 BTN9.NPTH BTN10.3 BTN10.4 BTN10.5 BTN10.6 BTN10.NPTH BTN11.3 BTN11.4 BTN11.5 BTN11.6 BTN11.NPTH BTN12.3 BTN12.4 BTN12.5 BTN12.6 BTN12.NPTH BTN13.3 BTN13.4 BTN13.5 BTN13.6 BTN13.NPTH BTN14.3 BTN14.4 BTN14.5 BTN14.6 BTN14.NPTH BTN15.3 BTN15.4 BTN15.5 BTN15.6 BTN15.NPTH BTN16.3 BTN16.4 BTN16.5 BTN16.6 BTN16.NPTH BTN17.3 BTN17.4 BTN17.5 BTN17.6 BTN17.NPTH BTN18.3 BTN18.4 BTN18.5 BTN18.6 BTN18.NPTH BTN19.3 BTN19.4 BTN19.5 BTN19.6 BTN19.NPTH BTN20.3 BTN20.4 BTN20.5 BTN20.6 BTN20.NPTH BTN21.3 BTN21.4 BTN21.5 BTN21.6 BTN21.NPTH BTN22.3 BTN22.4 BTN22.5 BTN22.6 BTN22.NPTH BTN23.3 BTN23.4 BTN23.5 BTN23.6 BTN23.NPTH BTN24.3 BTN24.4 BTN24.5 BTN24.6 BTN24.NPTH BTN25.3 BTN25.4 BTN25.5 BTN25.6 BTN25.NPTH BTN26.3 BTN26.4 BTN26.5 BTN26.6 BTN26.NPTH BTN27.3 BTN27.4 BTN27.5 BTN27.6 BTN27.NPTH BTN28.3 BTN28.4 BTN28.5 BTN28.6 BTN28.NPTH BTN29.3 BTN29.4 BTN29.5 BTN29.6 BTN29.NPTH BTN30.3 BTN30.4 BTN30.5 BTN30.6 BTN30.NPTH BTN31.3 BTN31.4 BTN31.5 BTN31.6 BTN31.NPTH BTN32.3 BTN32.4 BTN32.5 BTN32.6 BTN32.NPTH BTN33.3 BTN33.4 BTN33.5 BTN33.6 BTN33.NPTH BTN34.3 BTN34.4 BTN34.5 BTN34.6 BTN34.NPTH BTN35.3 BTN35.4 BTN35.5 BTN35.6 BTN35.NPTH BTN36.3 BTN36.4 BTN36.5 BTN36.6 BTN36.NPTH BTN37.3 BTN37.4 BTN37.5 BTN37.6 BTN37.NPTH BTN38.3 BTN38.4 BTN38.5 BTN38.6 BTN38.NPTH BTN39.3 BTN39.4 BTN39.5 BTN39.6 BTN39.NPTH BTN40.3 BTN40.4 BTN40.5 BTN40.6 BTN40.NPTH BTN41.3 BTN41.4 BTN41.5 BTN41.6 BTN41.NPTH BTN42.3 BTN42.4 BTN42.5 BTN42.6 BTN42.NPTH BTN43.3 BTN43.4 BTN43.5 BTN43.6 BTN43.NPTH BTN44.3 BTN44.4 BTN44.5 BTN44.6 BTN44.NPTH BTN45.3 BTN45.4 BTN45.5 BTN45.6 BTN45.NPTH BTN46.3 BTN46.4 BTN46.5 BTN46.6 BTN46.NPTH BTN47.3 BTN47.4 BTN47.5 BTN47.6 BTN47.NPTH BTN48.3 BTN48.4 BTN48.5 BTN48.6 BTN48.NPTH BTN49.3 BTN49.4 BTN49.5 BTN49.6 BTN49.NPTH BTN50.3 BTN50.4 BTN50.5 BTN50.6 BTN50.NPTH BTN51.3 BTN51.4 BTN51.5 BTN51.6 BTN51.NPTH BTN52.3 BTN52.4 BTN52.5 BTN52.6 BTN52.NPTH BTN53.3 BTN53.4 BTN53.5 BTN53.6 BTN53.NPTH BTN54.3 BTN54.4 BTN54.5 BTN54.6 BTN54.NPTH BTN55.3 BTN55.4 BTN55.5 BTN55.6 BTN55.NPTH BTN56.3 BTN56.4 BTN56.5 BTN56.6 BTN56.NPTH BTN57.3 BTN57.4 BTN57.5 BTN57.6 BTN57.NPTH BTN58.3 BTN58.4 BTN58.5 BTN58.6 BTN58.NPTH BTN59.3 BTN59.4 BTN59.5 BTN59.6 BTN59.NPTH BTN60.3 BTN60.4 BTN60.5 BTN60.6 BTN60.NPTH BTN61.3 BTN61.4 BTN61.5 BTN61.6 BTN61.NPTH BTN62.3 BTN62.4 BTN62.5 BTN62.6 BTN62.NPTH BTN63.3 BTN63.4 BTN63.5 BTN63.6 BTN63.NPTH BTN64.3 BTN64.4 BTN64.5 BTN64.6 BTN64.NPTH BTN65.3 BTN65.4 BTN65.5 BTN65.6 BTN65.NPTH BTN66.3 BTN66.4 BTN66.5 BTN66.6 BTN66.NPTH BTN67.3 BTN67.4 BTN67.5 BTN67.6 BTN67.NPTH BTN68.3 BTN68.4 BTN68.5 BTN68.6 BTN68.NPTH BTN69.3 BTN69.4 BTN69.5 BTN69.6 BTN69.NPTH BTN70.3 BTN70.4 BTN70.5 BTN70.6 BTN70.NPTH BTN71.3 BTN71.4 BTN71.5 BTN71.6 BTN71.NPTH BTN72.3 BTN72.4 BTN72.5 BTN72.6 BTN72.NPTH BTN73.3 BTN73.4 BTN73.5 BTN73.6 BTN73.NPTH BTN74.3 BTN74.4 BTN74.5 BTN74.6 BTN74.NPTH BTN75.3 BTN75.4 BTN75.5 BTN75.6 BTN75.NPTH BTN76.3 BTN76.4 BTN76.5 BTN76.6 BTN76.NPTH BTN77.3 BTN77.4 BTN77.5 BTN77.6 BTN77.NPTH BTN78.3 BTN78.4 BTN78.5 BTN78.6 BTN78.NPTH BTN79.3 BTN79.4 BTN79.5 BTN79.6 BTN79.NPTH BTN80.3 BTN80.4 BTN80.5 BTN80.6 BTN80.NPTH BTN81.3 BTN81.4 BTN81.5 BTN81.6 BTN81.NPTH BTN82.3 BTN82.4 BTN82.5 BTN82.6 BTN82.NPTH BTN83.3 BTN83.4 BTN83.5 BTN83.6 BTN83.NPTH BTN84.3 BTN84.4 BTN84.5 BTN84.6 BTN84.NPTH BTN85.3 BTN85.4 BTN85.5 BTN85.6 BTN85.NPTH BTN86.3 BTN86.4 BTN86.5 BTN86.6 BTN86.NPTH BTN87.3 BTN87.4 BTN87.5 BTN87.6 BTN87.NPTH BTN88.3 BTN88.4 BTN88.5 BTN88.6 BTN88.NPTH BTN89.3 BTN89.4 BTN89.5 BTN89.6 BTN89.NPTH BTN90.3 BTN90.4 BTN90.5 BTN90.6 BTN90.NPTH BTN91.3 BTN91.4 BTN91.5 BTN91.6 BTN91.NPTH BTN92.3 BTN92.4 BTN92.5 BTN92.6 BTN92.NPTH BTN93.3 BTN93.4 BTN93.5 BTN93.6 BTN93.NPTH BTN94.3 BTN94.4 BTN94.5 BTN94.6 BTN94.NPTH BTN95.3 BTN95.4 BTN95.5 BTN95.6 BTN95.NPTH BTN96.3 BTN96.4 BTN96.5 BTN96.6 BTN96.NPTH BTN97.3 BTN97.4 BTN97.5 BTN97.6 BTN97.NPTH BTN98.3 BTN98.4 BTN98.5 BTN98.6 BTN98.NPTH BTN99.3 BTN99.4 BTN99.5 BTN99.6 BTN99.NPTH BTN100.3 BTN100.4 BTN100.5 BTN100.6 BTN100.NPTH BTN101.3 BTN101.4 BTN101.5 BTN101.6 BTN101.NPTH BTN102.3 BTN102.4 BTN102.5 BTN102.6 BTN102.NPTH BTN103.3 BTN103.4 BTN103.5 BTN103.6 BTN103.NPTH BTN104.3 BTN104.4 BTN104.5 BTN104.6 BTN104.NPTH BTN105.3 BTN105.4 BTN105.5 BTN105.6 BTN105.NPTH BTN106.3 BTN106.4 BTN106.5 BTN106.6 BTN106.NPTH BTN107.3 BTN107.4 BTN107.5 BTN107.6 BTN107.NPTH BTN108.3 BTN108.4 BTN108.5 BTN108.6 BTN108.NPTH BTN109.3 BTN109.4 BTN109.5 BTN109.6 BTN109.NPTH BTN110.3 BTN110.4 BTN110.5 BTN110.6 BTN110.NPTH BTN111.3 BTN111.4 BTN111.5 BTN111.6 BTN111.NPTH BTN112.3 BTN112.4 BTN112.5 BTN112.6 BTN112.NPTH BTN113.3 BTN113.4 BTN113.5 BTN113.6 BTN113.NPTH BTN114.3 BTN114.4 BTN114.5 BTN114.6 BTN114.NPTH BTN115.3 BTN115.4 BTN115.5 BTN115.6 BTN115.NPTH BTN116.3 BTN116.4 BTN116.5 BTN116.6 BTN116.NPTH BTN117.3 BTN117.4 BTN117.5 BTN117.6 BTN117.NPTH BTN118.3 BTN118.4 BTN118.5 BTN118.6 BTN118.NPTH BTN119.3 BTN119.4 BTN119.5 BTN119.6 BTN119.NPTH BTN120.3 BTN120.4 BTN120.5 BTN120.6 BTN120.NPTH BTN121.3 BTN121.4 BTN121.5 BTN121.6 BTN121.NPTH BTN122.3 BTN122.4 BTN122.5 BTN122.6 BTN122.NPTH BTN123.3 BTN123.4 BTN123.5 BTN123.6 BTN123.NPTH BTN124.3 BTN124.4 BTN124.5 BTN124.6 BTN124.NPTH BTN125.3 BTN125.4 BTN125.5 BTN125.6 BTN125.NPTH BTN126.3 BTN126.4 BTN126.5 BTN126.6 BTN126.NPTH BTN127.3 BTN127.4 BTN127.5 BTN127.6 BTN127.NPTH BTN128.3 BTN128.4 BTN128.5 BTN128.6 BTN128.NPTH BTN129.3 BTN129.4 BTN129.5 BTN129.6 BTN129.NPTH BTN130.3 BTN130.4 BTN130.5 BTN130.6 BTN130.NPTH BTN131.3 BTN131.4 BTN131.5 BTN131.6 BTN131.NPTH BTN132.3 BTN132.4 BTN132.5 BTN132.6 BTN132.NPTH BTN133.3 BTN133.4 BTN133.5 BTN133.6 BTN133.NPTH CN1. CN1.0 CN1.35 CN1.37 CN1.39 CN1.41 CN1.43 MECH1. U2.10 U2.11 U2.13 U2.14 U2.15 U2.16 U2.17 U2.18 U2.19 U2.20 U4.5

## Polygon pours and split planes (outlines as drawn)
3V3 on Bottom Layer "3V3_L02_P010" (solid, pour order 10): 0,3 ccw(c3,3) 3,0 467,0 ccw(c467,3) 470,3 470,132 ccw(c467,132) 467,135 3,135 ccw(c3,132) 0,132
GND on Bottom Layer "GND_L02_P008" (solid, remove dead copper, pour order 8): 455.298,100.531 454.696,100.531 454.391,100.836 454.391,103.126 455.453,104.188 460.436,104.188 461.323,103.301 463.48,103.301 463.944,102.836 463.944,101.079 463.725,100.859 463.259,100.859 460.224,100.859 459.896,100.531 455.347,100.531
REG_3V3_SW on Bottom Layer "REG_3V3_SW_L02_P006" (solid, remove dead copper, pour order 6): 459.885,100.52 460.29,100.924 461.72,100.924 462.09,101.295 462.09,101.984 462.236,102.13 462.817,102.13 462.967,101.98 462.967,100.902 463.066,100.803 464.787,100.803 465.108,100.481 465.108,97.842 464.927,97.661 460.096,97.661 459.885,97.872
USBC_VBUS on Bottom Layer "USBC_VBUS_L02_P004" (solid, remove dead copper, pour order 4): 379.76,135.492 379.757,135.488 379.757,132.597 380.535,131.82 434.277,131.82 435.193,132.736 443.15,132.736 443.786,132.1 447.872,132.1 448.489,131.483 453.757,131.483 454.241,131.967 465.294,131.967 467.691,129.57 467.691,107.906 465.583,105.798 455.836,105.798 455.665,105.633 455.665,104.514 456.002,104.177 460.799,104.177 461.518,103.458 462.85,103.458 462.977,103.586 462.977,104.618 463.182,104.822 468.548,104.822 470.001,106.275 470.001,133.73 468.239,135.492
GND on Top Layer "GND_L01_P012" (solid, pour order 12): 0,3 ccw(c3,3) 3,0 467,0 ccw(c467,3) 470,3 470,132 ccw(c467,132) 467,135 3,135 ccw(c3,132) 0,132
3V3 on Top Layer "3V3_L01_P011" (solid, remove dead copper, pour order 11): 449.231,102.035 449.957,102.761 453.374,102.761 453.627,102.508 453.627,99.626 453.143,99.142 449.655,99.142 449.231,99.566

## Other copper
Bottom Layer:
  pour cut-out: 464.731,97.235 464.731,96.691 465.124,96.299 467.122,96.299 467.339,96.516 467.339,99.964 466.28,101.023 466.28,102.456 464.923,103.813 464.923,104.765 464.105,104.765 463.977,104.636 463.977,103.5 465.108,102.369 465.108,97.842 464.731,97.465 464.731,97.271

## Silkscreen, mask and mechanical layers (free items; w line width, h text height)
Bottom Overlay:
  text "IntelliModule Connector" at 423.328,110.49 h3
  text "Berndo-Keyboard" at 381.288,49.796 h10
Bottom Solder:
  text "I" at 381.296,45.728 h4
Mechanical 1:
  lines w0.2: -38.837,-24 -38.837,-25.35 ; -38,-25.35 -38.837,-25.35 ; -34.837,-21.35 -38.837,-25.35 ; 0,3 ccw(c3,3) 3,0 ; 0,67.5 470,67.5 ; 0,132 cw(c3,132) 3,135 ; 11.162,10.35 458.837,124.65 ; 11.162,124.65 458.837,10.35 ; 235,0 235,135 ; 373.112,124.65 465.163,124.65 ; 439.787,10.35 469.163,10.35 ; 458.837,5.65 458.837,19.875 ; 458.837,86.55 458.837,134.65 ; 467,0 ccw(c467,3) 470,3 ; 467,135 cw(c467,132) 470,132 ; 0,0 0,135 470,135 470,0 0,0
  text "Original Origin" at -34,-21.35 h1
Board:
  the board outline again, w0.2
Layout Sketch:
  drawing of 164 lines, arcs and shapes, not listed

## Text inside footprints (layer, text, board x,y; h text height)
TP1: Bottom Assembly "TP" at 426.3,120.8 h0.6 r270
TP2: Bottom Assembly "TP" at 424.9,100 h0.6 r270
TP3: Bottom Assembly "TP" at 315.85,119.2 h0.6 r270
TP4: Bottom Assembly "TP" at 450.725,127.35 h0.6 r270
TP5: Bottom Assembly "TP" at 443.641,128.65 h0.6 r270